# KiCad board apple-color-monitor-iie-a2m2056.kicad_pcb (continued)
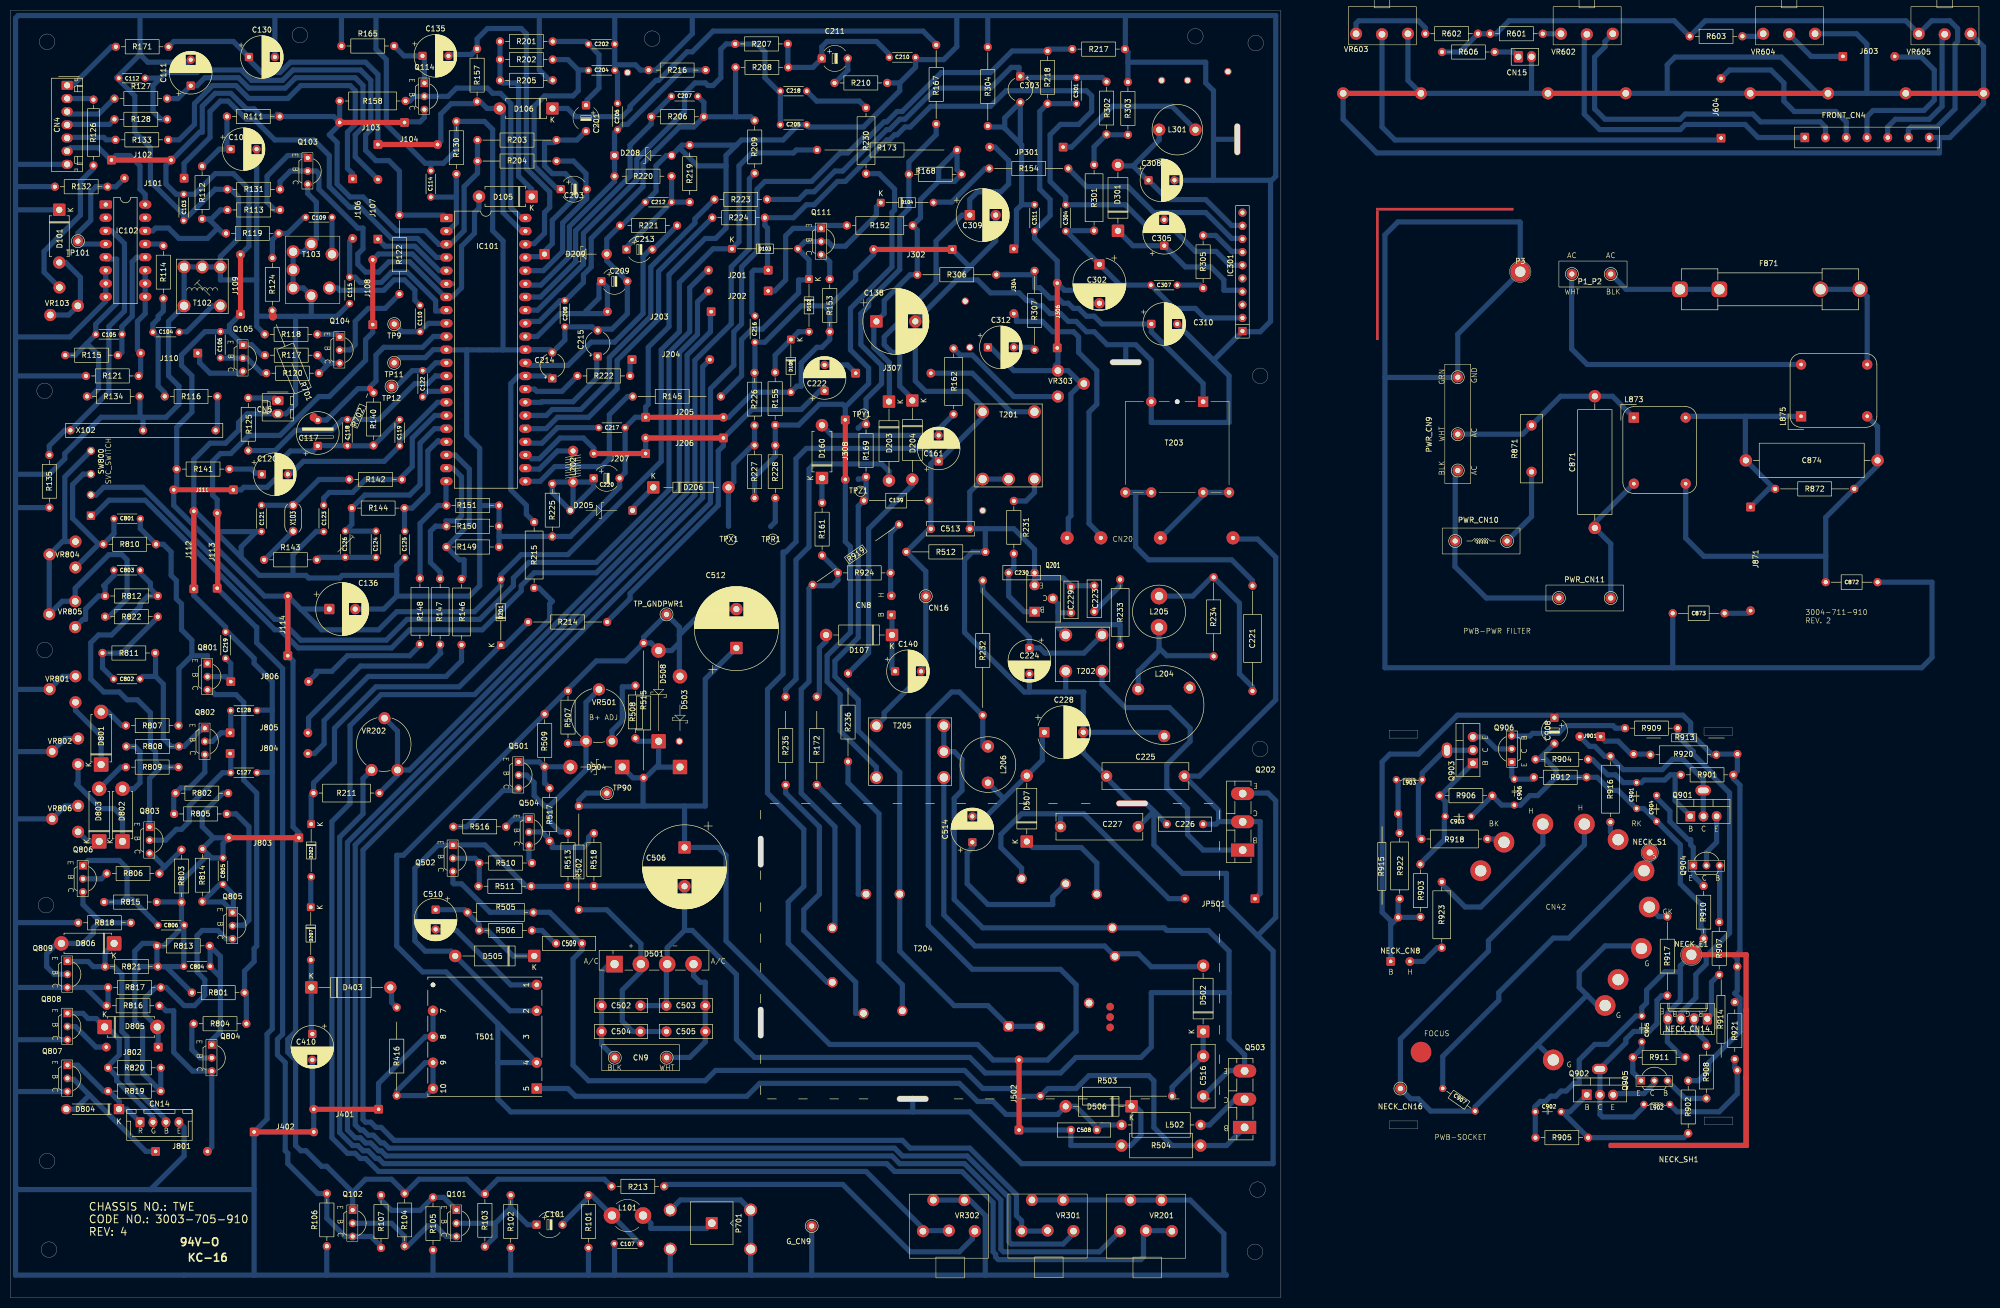
[diagram p0: board, top side]
## Routing (per net, layer and track width the routed paths; a pad name or vN(x,y) marks a point on that pad's centre or on a via; arc(x,y) is an arc through that point) (continued)
Net-(D805-A): length 45.5
  Bottom w1: J802.1 28.5,52.34 28.38,52.22 D805.2 26,54.55 26,57.84 28,59.84 R817.2 30,59.84 33.5,56.34 35.5,56.34 37.5,58.34 37.5,61.34 36,62.84 36,69.84 37,70.84 40,70.84 41.63,69.21 Q805.3
Net-(D806-A): length 34
  Bottom w1: 9.84,68.84 9.5,68.84 ; Q809.2 8.54,62.38 8.5,62.34 7,63.84 7,66.34 9,68.34 D806.2 14,68.34 16,70.34 16,71.34 16.98,72.32 ; R818.2 16.98,72.32 ; 16.98,72.32 16.98,72.87 14,75.84 Q806.3
Net-(F871-Pad2): length 22.7
  Bottom w1: F871.2 F871.2 358.06,193.12 L875.4
Net-(FRONT_CN4-BLU): length 28.3
  Bottom w1: VR605.2 372.49,243.22 372.49,229.83 369.99,227.33 363.49,227.33 361.99,225.83 361.99,223.83 FRONT_CN4.5
Net-(FRONT_CN4-BRN): length 60.8
  Bottom w1: FRONT_CN4.1 337.02,223.81 334.49,226.33 322.99,226.33 321.99,225.33 306.49,225.33 303.49,228.33 303.49,243.22 VR602.2
Net-(FRONT_CN4-GRN): length 32.9
  Bottom w1: FRONT_CN4.4 358.02,227.86 359.19,229.03 368.99,229.03 370.99,231.03 370.99,236.83 368.49,239.33 363.49,239.33 J603.2
Net-(FRONT_CN4-PNK): length 64.8
  Bottom w1: VR602.3 307.49,242.33 307.49,241.33 305.49,239.33 305.49,229.33 307.49,227.33 321.99,227.33 322.99,228.33 335.99,228.33 337.49,226.83 348.99,226.83 350.02,225.81 FRONT_CN4.2
Net-(FRONT_CN4-YLW): length 34
  Bottom w1: J604.2 331.49,236.83 339.49,236.83 341.99,234.33 341.99,230.83 343.99,228.83 351.99,228.83 354.02,226.81 FRONT_CN4.3
Net-(IC101-PHASE_COMP): length 15.5
  Bottom w1: IC101.25 99.58,164.84 102.5,164.84 105.5,167.84 C217.1
Net-(IC101-RAMP_CAPACITOR): length 19.6
  Bottom w1: IC101.28 102.39,172.73 102.5,172.84 108.5,172.84 113.08,177.42 113.08,181.32
Net-(IC102-A0): length 22.2
  Bottom w1: R115.2 20.98,181.82 21.5,182.34 21.5,185.8 C105.1 21.5,185.84 21.5,187.34 23.5,189.34 23.5,199.84 24.38,200.72 IC102.12
Net-(IC102-A1): length 3.6
  Bottom w1: IC102.13 29.16,203.26 R114.2
Net-(IC102-A): length 26
  Bottom w1: R113.2 40.5,209.84 38.5,207.84 ; R112.2 38.23,208.11 38.5,207.84 ; 38.5,207.84 39.75,206.59 ; 39.75,206.59 41.02,205.32 R119.1 ; 39.75,206.59 39.75,206.09 38,204.34 32.5,204.34 30.5,206.34 28,206.34 27.46,205.8 IC102.14
Net-(IC102-C0): length 38.6
  Bottom w1: 14.75,184.09 12.47,181.82 R115.1 ; 14.75,184.09 16.46,185.8 C105.2 16.46,187.8 20.5,191.84 20.5,200.34 18.76,200.34 IC102.5 ; 14.75,184.09 17,181.84 17,175.34 15.52,173.87 R134.2
Net-(IC102-C1): length 52.1
  Bottom w1: IC102.3 19.54,205.8 22,203.34 22,190.34 19,187.34 19,174.74 X102.1 10.47,167.32 7.5,164.34 7.5,162.84 7.52,162.82 R135.2
Net-(IC102-C): length 23.7
  Bottom w1: J101.2 20.35,214.32 R132.2 16.48,214.32 15.5,213.34 15.5,207.84 13.02,205.37 TP101.1 13.58,203.26 IC102.4
Net-(IC102-S1): length 21.4
  Bottom w1: R121.2 25.12,178.21 J110.2 24.5,182.84 24.5,188.34 26,189.84 IC102.9 IC102.10 IC102.11
Net-(J106-A): length 63.3
  Bottom w1: J106.1 66,216.84 65,217.84 65,224.84 66.5,226.34 66.5,232.84 65.5,233.84 56,233.84 53.5,231.34 46,231.34 43.5,233.84 39,233.84 35.5,230.34 35.5,226.34 32.52,223.37 R133.1
Net-(J107-B): length 62.3
  Bottom w1: R127.2 32.28,231.32 C111.1 35.97,233.81 37.5,235.34 44,235.34 46,233.34 53,233.34 55,235.34 66.5,235.34 68,233.84 68,225.84 66.5,224.34 66.5,220.09 J107.2
Net-(J110-A): length 11.4
  Bottom w1: Q105.3 44.47,178.34 38.5,178.34 36.5,180.34 36.5,181.84 J110.1
Net-(J201-B): length 183
  Bottom w1: SW800.2 15.55,154.84 16.5,154.84 18,156.34 25.5,156.34 51,130.84 52,130.84 56,126.84 72.5,126.84 76.5,130.84 90.5,130.84 97,137.34 97,138.84 100,141.84 113,141.84 127,155.84 127,182.34 131,186.34 131,194.84 134.5,198.34 J201.2
Net-(J202-B): length 180.4
  Bottom w1: SW800.1 16.02,150.87 19,153.84 26,153.84 51,128.84 52,128.84 55.5,125.34 73.5,125.34 77,128.84 91,128.84 98.5,136.34 98.5,137.34 101,139.84 113,139.84 129,155.84 129,182.34 132.5,185.84 132.5,192.09 J202.2
Net-(J203-A): length 131.8
  Bottom w1: J203.1 135,190.09 135,186.34 130.5,181.84 130.5,155.34 76.94,101.79 VR202.1 ; R211.1 74.65,100.83 VR202.1 ; VR202.1 74.65,109.29 VR202.2
Net-(J204-A): length 3.3
  Bottom w1: R222.1 119.5,180.59 J204.1
Net-(J204-B): length 330.3
  Bottom w1: J204.2 133.5,179.59 133.5,154.34 66.5,87.34 66.5,33.34 67.5,32.34 68,32.34 69,31.34 70,31.34 71.5,29.84 72,29.84 73,28.84 170.5,28.84 172,27.34 184.5,27.34 192.5,19.34 192.5,10.84 193,10.34 203,10.34 205,12.34 VR301.1
Net-(J304-A): length 45.8
  Bottom w1: R304.2 188.66,225.84 191.5,225.84 191.75,225.59 ; 191.75,225.59 195,222.34 ; 191.75,225.59 191.75,227.59 C303.2 194.75,222.59 195,222.34 ; 195,210.84 C311.1 ; 195,210.84 195,222.34 ; 195,210.84 194,209.84 194,202.84 J304.1
Net-(J307-A): length 6.7
  Bottom w1: J307.1 161.4,179.94 C222.2
Net-(J307-B): length 23.1
  Bottom w1: J307.2 185.5,178.34 192.94,170.9 T201.1
Net-(J603-A): length 12.1
  Bottom w1: J603.1 347.26,239.46 VR604.2
Net-(J604-A): length 84.5
  Bottom w1: VR603.2 264.49,225.83 266.99,223.33 329.49,223.33 J604.1
Net-(J801-B): length 35.9
  Bottom w1: R816.2 28.98,56.32 29,56.34 30,55.34 31.5,55.34 31.5,47.34 35.13,43.71 Q804.3 38.84,29.06 J801.2
Net-(J802-B): length 9.1
  Bottom w1: J802.2 16.5,48.34 12.54,52.3 Q808.2
Net-(J804-A): length 26.5
  Bottom w1: Q803.2 29.91,88.25 32,90.34 33,90.34 34.5,91.84 34.5,94.84 40.92,101.27 C127.1 42.5,101.29 42.5,104.84 J804.1
Net-(J804-B): length 42.9
  Bottom w1: 87.12,126.07 R146.1 87,122.84 84,119.84 69,119.84 60.5,111.34 60.5,106.84 58.62,104.97 J804.2
Net-(J805-A): length 10.2
  Bottom w1: Q802.2 38.96,107.3 40.62,108.97 J805.1 42.5,108.84 42.5,113.24 C128.1
Net-(J805-B): length 35.3
  Bottom w1: J805.2 57.5,109.09 57.5,111.84 67.5,121.84 80.5,121.84 83,124.34 82.88,124.47 R147.2
Net-(J806-A): length 9.8
  Bottom w1: C219.1 42.5,122.34 J806.1 41.54,119.8 Q801.2
Net-(J806-B): length 24.9
  Bottom w1: J806.2 59,120.34 59,120.84 62,120.84 65,123.84 77,123.84 79,125.84 78.97,125.87 R148.2
Net-(J871-A): length 45.3
  Bottom w1: 334.56,170.02 L875.1 345.25,170.08 ; 334.56,170.02 323.31,170.02 L873.2 ; 334.56,170.02 334.56,161.62 C874.2 ; C874.2 334.82,161.52 ; C874.2 340.16,156.02 R872.2 339.06,156.02 J871.1
Net-(J871-B): length 5.2
  Bottom w1: J871.2 335.06,132.02 C873.1
Net-(J901-A): length 11
  Bottom w1: R920.2 316.12,104.86 R913.2 312.52,104.86 310.02,107.36 307.52,107.36 J901.1
Net-(J901-B): length 36.5
  Bottom w1: 303.02,108.36 302.89,108.23 J901.2 304.52,106.36 305.52,106.36 307.44,104.44 R916.1 308.54,104.33 311.02,101.86 318.52,101.86 320.52,103.86 322.52,103.86 326.44,99.94 Q901.2 326.44,92.9 Q901.2
Net-(JP301-A): length 30.7
  Bottom w1: JP301.1 204.62,221.97 212.5,229.84 224,229.84 L301.2
Net-(JP501-B): length 56.6
  Bottom w1: 202.5,93.34 207,93.34 223.38,76.97 JP501.2 ; 202.5,93.34 195,93.34 191,89.34 191,86.84 195,82.84 T204.10 ; 202.5,93.34 C227.2
Net-(L204-Pad1): length 25
  Bottom w1: L204.1 217.47,117.37 217.5,117.34 217.5,120.84 221.5,124.84 221.5,125.34 ; 221.5,125.34 L205.2 ; 221.5,125.34 223,123.84 232,123.84 232.02,123.82 R234.1
Net-(L902-Pad2): length 21.9
  Bottom w1: R921.1 332.52,44.34 R914.2 333,39.34 329.52,35.86 321.42,35.86 L902.2
Net-(L903-Pad1): length 10.6
  Bottom w1: R922.2 267.89,93.08 R915.1 267.61,99.57 L903.1
Net-(NECK_CN8-H): length 7.2
  Bottom w1: NECK_CN8.2 272.52,64.86 275.17,67.51 R923.1
Net-(NECK_CN14-B): length 64.1
  Bottom w1: NECK_CN14.3 322.14,54.98 325.02,57.86 325.02,62.36 327.02,64.36 327.02,65.86 331.52,70.36 331.52,97.36 328.52,100.36 328.52,100.86 324.52,104.86 324.52,105.36 321.52,108.36 R909.1
Net-(NECK_CN14-G): length 6.2
  Bottom w1: R908.2 327.04,49.33 324.68,51.69 NECK_CN14.2
Net-(NECK_CN14-R): length 9.5
  Bottom w1: NECK_CN14.1 328.02,54.6 328.02,60.86 329.44,62.28 R907.1
Net-(P1_P2-BLK): length 22.2
  Bottom w1: F871.1 F871.1 311.56,194.52 P1_P2.2
Net-(P1_P2-WHT): length 60
  Bottom w1: P1_P2.1 301.06,197.42 301.06,183.02 304.06,180.02 L875.2
Net-(P3-GND): length 301.4
  Bottom w1: 320.56,121.52 368.56,121.52 370.56,123.52 370.56,138.02 C872.1 ; 320.56,121.52 265.06,121.52 265.06,177.52 ; 320.56,121.52 C873.2 ; 265.06,177.52 265.06,205.02 267.56,207.52 291.06,207.52 291.15,207.42 P3.1 279.11,185.88 PWR_CN9.3 279.06,177.52 265.06,177.52
Net-(P701-In): length 15.3
  Bottom w1: P701.1 134.23,13.34 123.5,13.34 123.5,14.34 L101.1
Net-(PWR_CN9-WHT): length 38.7
  Bottom w1: PWR_CN9.2 291.61,166.57 R871.2 298.93,173.9 C871.2 308.93,173.9 L873.1
Net-(PWR_CN10-Pin_1): length 41.3
  Bottom w1: PWR_CN11.1 284.61,134.97 278.56,141.02 278.56,145.92 PWR_CN10.1 278.61,159.07 PWR_CN9.1
Net-(PWR_CN10-Pin_2): length 15.6
  Bottom w1: 293.56,159.07 R871.1 293.33,150.7 PWR_CN10.2
Net-(PWR_CN11-Pin_2): length 26.4
  Bottom w1: PWR_CN11.2 308.61,145.42 C871.1 305.53,149.5 L873.3
Net-(Q101-B): length 25.8
  Bottom w1: 96.47,17.32 99.72,14.07 C101.1 ; 96.47,17.32 93.5,14.34 ; 96.47,17.32 R102.1 ; R103.1 93.5,11.84 93.5,14.34 ; 93.5,14.34 Q101.2
Net-(Q101-C): length 25.4
  Bottom w1: Q101.3 84.04,11.8 82,13.84 80.5,13.84 76.58,9.92 R104.1 76.03,10.32 76,10.34 76,11.84 73.5,14.34 Q102.2
Net-(Q101-E): length 18.3
  Bottom w1: R107.1 71.47,18.87 73.5,16.84 79,16.84 R105.1 83.54,19.34 Q101.1
Net-(Q103-E): length 17.8
  Bottom w1: Q103.1 56.88,220.34 53.5,220.34 49.5,216.34 49.5,211.34 51,209.84 R113.1
Net-(Q104-B): length 18.7
  Bottom w1: Q104.2 63.5,182.84 65.5,182.84 66.5,183.84 66.5,188.34 69,190.84 72.27,190.84 R122.2
Net-(Q104-C): length 7.7
  Bottom w1: 61.5,180.26 60.79,180.26 R117.2 ; 61.5,180.26 Q104.3 ; 61.5,180.26 59.58,178.34 R120.2
Net-(Q104-E): length 4.5
  Bottom w1: Q104.1 63,185.84 59.16,185.84
Net-(Q105-B): length 10.1
  Bottom w1: R120.1 48.5,178.34 45.59,181.25 Q105.2 40.55,181.25 C106.1
Net-(Q111-C): length 5.7
  Bottom w1: R153.2 158,199.84 156.5,201.34 156.37,201.21 Q111.3
Net-(Q114-E): length 11.7
  Bottom w1: R165.2 75.9,239.57 C135.1 79.84,239.2 Q114.1
Net-(Q201-B): length 14.8
  Bottom w1: Q201.1 195.5,132.34 192.5,135.34 C230.1 193.5,140.84 R231.2
Net-(Q201-C): length 26.7
  Bottom w1: Q201.2 201,134.84 202,133.84 202,132.34 ; 202,129.84 202,129.34 T202.2 ; 202,129.84 202,132.34 ; 202,129.84 214,129.84 R233.1 ; 202,132.34 202.23,132.12 C229.1
Net-(Q202-B): length 58.9
  Bottom w1: Q202.1 230,86.34 227,89.34 227,94.34 223,98.34 223,102.84 227.5,107.34 227.5,109.84 223.5,113.84 215,113.84 210.5,118.34 T202.4
Net-(Q501-B): length 47.6
  Bottom w1: 104,94.84 111,101.84 VR501.3 ; 104,94.84 103,94.84 101,96.84 101,99.34 99.54,100.8 Q501.2 ; 104,94.84 104,91.84 106,89.84 107.5,89.84 107.53,89.82 R513.2 ; VR501.3 111,114.84 VR501.2 ; VR501.3 110.58,106.92 R507.1
Net-(Q501-C): length 15.4
  Bottom w1: 97.72,98.21 97.36,97.84 95,97.84 88,90.84 85.34,90.84
Net-(Q502-B): length 10.2
  Bottom w1: Q502.2 89.59,84.75 90.5,83.84 R510.2 90.42,79.52 R511.2
Net-(Q502-C): length 204.1
  Bottom w1: Q502.3 85.34,80 85.5,79.84 87,79.84 92.5,74.34 100.83,74.34 R505.2 100.88,74.34 104,74.34 110,68.34 C509.1 110.23,67.07 108.5,65.34 108.5,44.84 111.5,41.84 134,41.84 136,43.84 184,43.84 187.5,40.34 193,40.34 194.5,38.84 198.5,38.84 198.53,38.87 R503.1 200.1,40.34 205.5,40.34 208,42.84 219.5,42.84 220.5,41.84 220.5,32.84 224,29.34 R504.1 234.5,29.34 Q503.1 238,32.92 ; 109.97,68.37 110.23,68.37
Net-(Q503-C): length 12
  Bottom w1: 238,38.37 236.52,38.37 ; L502.2 231.23,33.32 236.2,38.29 Q503.2
Net-(Q504-B): length 16.4
  Bottom w1: R518.2 112.52,89.82 112.5,89.84 111.5,88.84 111.5,87.84 110.5,86.84 104.5,86.84 104.5,87.58 R517.2 ; Q504.2 100.04,89.84 102.5,89.84 104,88.34 104,88.18
Net-(Q504-C): length 3.7
  Bottom w1: R510.1 100,84.42 Q504.3
Net-(Q504-E): length 5.1
  Bottom w1: Q504.1 97,92.34 95.5,90.84
Net-(Q801-C): length 72.2
  Bottom w1: R804.2 45.51,58.5 R801.2 45.16,63 47,64.84 47,67.34 47.5,67.84 47.5,97.34 45,99.84 45,114.84 43.5,116.34 39.5,116.34 38.58,117.26 Q801.3
Net-(Q801-E): length 50.5
  Bottom w1: R807.1 32.48,110.37 32.5,110.34 32.5,121.34 35,123.84 ; Q801.1 38,123.84 35,123.84 ; 35,123.84 35,126.84 33,128.84 33,133.84 32,134.84 32,138.34 31,139.34 31,143.84 29.5,145.34 R810.2 25.05,148.37 C801.2
Net-(Q802-C): length 14.9
  Bottom w1: Q802.3 37.5,101.34 34.5,98.34 32.87,98.34 R802.2 31.5,96.98 31.5,93.34 31.52,93.32 R805.1
Net-(Q802-E): length 30.5
  Bottom w1: C802.1 25.5,119.84 28,119.84 ; R811.1 28,124.29 28,119.84 ; 28,119.84 29.5,118.34 29.5,107.84 31,106.34 R808.1 33.5,106.34 37,109.84 Q802.1
Net-(Q803-C): length 10.7
  Bottom w1: R803.1 33,86.34 29.75,83.09 ; 29.75,83.09 27.13,85.71 Q803.3 ; 29.75,83.09 28.5,81.84 28.52,81.82 R806.2
Net-(Q803-E): length 71.7
  Bottom w1: 29,102.34 26.84,100.18 Q803.1 ; 29,102.34 28,103.34 28,105.34 27,106.34 27,112.84 24.5,115.34 22.5,115.34 21,116.84 18,116.84 15.5,119.34 15.5,126.34 17,127.84 19.5,127.84 25,133.34 25,133.84 26.52,135.37 R812.1 27,136.79 27,137.84 25.04,139.8 C803.1 ; 29,102.34 R809.1
Net-(Q804-B): length 9.6
  Bottom w1: Q804.2 36.59,46.25 35,47.84 35,52.5 R804.1
Net-(Q804-E): length 27.5
  Bottom w1: 40.5,61.84 38.52,63.82 C804.1 38.52,67.77 R813.1 38.48,67.87 40.5,65.84 40.5,61.84 ; 40.5,61.84 40.5,51.34 38.84,49.68 Q804.1
Net-(Q805-B): length 26.9
  Bottom w1: R805.2 43.48,93.32 43.5,93.34 46,90.84 46,72.84 45,71.84 42.93,71.84 Q805.2
Net-(Q805-E): length 18.7
  Bottom w1: Q805.1 42.95,74.29 43,74.34 43,77.76 C805.2 40.42,79.76 37.02,76.37 R814.1 37.1,76.34 41,76.34 42.84,74.5 Q805.1
Net-(Q806-B): length 5
  Bottom w1: R806.1 17.56,80.8 Q806.2
Net-(Q806-E): length 28.1
  Bottom w1: Q806.1 15,84.34 21,84.34 22.5,82.84 22.5,77.34 ; 22.5,77.34 23,76.84 23.5,76.84 28.46,71.88 C806.1 ; 22.5,77.34 21.48,76.32 R815.1
Net-(Q901-B): length 29.5
  Bottom w1: 321.02,100.86 320.07,100.86 319.54,100.33 319.52,100.36 319.02,99.86 315.02,99.86 314.52,99.36 C901.1 311.02,99.36 309.52,100.86 308.02,100.86 305.04,103.83 R904.2 ; 321.02,100.86 321.02,95.86 323.94,92.94 Q901.1 ; 321.02,100.86 R901.1
Net-(Q901-E): length 10.3
  Bottom w1: Q904.2 327.06,85.9 329.02,87.86 Q901.3
Net-(Q902-B): length 33.2
  Bottom w1: R902.2 322.7,30.86 R905.2 299.25,35.86 C902.1 300.72,35.86 Q902.1
Net-(Q902-C): length 40.7
  Bottom w1: R917.2 318.42,58.27 317.52,57.36 317.52,52.86 316.02,51.36 313.02,51.36 311.52,49.86 311.52,49.16 Q902.2 306.52,44.08 306.52,35.36 307.02,34.86 313.02,34.86 314.99,36.83 L902.1
Net-(Q902-E): length 9.4
  Bottom w1: Q902.3 309.3,39.36 315.02,39.36 317.02,41.36 317.02,41.86
Net-(Q903-B): length 25.3
  Bottom w1: R906.1 275.76,96.83 Q903.1 ; R906.1 276.18,96.83 ; R906.1 275.59,96.78 ; R906.1 276.68,95.75 C903.1 276.52,92.7 276.52,88.36 271.89,83.73 R903.2
Net-(Q903-C): length 24.5
  Bottom w1: Q903.2 281.98,105.59 Q903.2 ; R918.1 271.52,89.06 271.52,98.86 272.25,99.59 L903.2 272.25,101.23 276.61,105.59 ; 282.4,105.59 282.44,105.63
Net-(Q903-E): length 8.5
  Bottom w1: Q906.2 286.52,105.86 284.2,108.17 Q903.3
Net-(Q904-B): length 11
  Bottom w1: Q904.3 329.6,72.52 R907.2
Net-(Q904-E): length 21.5
  Bottom w1: R910.2 324.52,81.44 Q904.1 324.52,86.86 324.02,87.36 324.02,88.36 323.52,88.36 320.02,91.86 320.02,93.86 317.44,96.43 C904.1
Net-(Q905-B): length 8.9
  Bottom w1: Q905.3 319.56,41.82 322.94,38.43 R908.1
Net-(Q905-E): length 8.9
  Bottom w1: C905.1 314.59,48.07 R911.2 312.86,43.48 Q905.1
Net-(Q906-B): length 22.9
  Bottom w1: 289.52,108.4 289.56,108.36 293.02,108.36 293.52,108.86 298.52,108.86 300.02,110.36 309.02,110.36 309.52,109.86 R909.2
Net-(Q906-E): length 7.4
  Bottom w1: Q906.1 289.52,100.52 C906.2 293.42,100.02 R912.2
Net-(R116-Pad1): length 6.7
  Bottom w1: R116.1 39.92,167.67 X102.2
Net-(R126-Pad1): length 28.7
  Bottom w1: R126.1 16.02,217.87 13.5,215.34 13.5,208.84 6.5,201.84 6.5,197.84 VR103.1
Net-(R143-Pad1): length 7.9
  Bottom w1: X103.1 49,142.34 R143.1
Net-(R161-Pad2): length 81.4
  Bottom w1: T204.13 159,71.84 159,90.84 152.5,97.34 152.5,117.34 154,118.84 154,136.8 R919.1 154.89,137.34 158.5,137.34 159.57,138.42 R924.1 159.57,140.13 R161.2
Net-(R162-Pad2): length 23.5
  Bottom w1: R162.2 183.15,181.84 185.5,181.84 193.5,173.84 201.5,173.84
Net-(R172-Pad1): length 25.9
  Bottom w1: T204.12 163.5,77.84 163.5,90.92 R172.1
Net-(R209-Pad1): length 383
  Bottom w1: R209.1 143.52,216.87 142.5,215.84 142.5,202.34 139,198.84 139,187.84 132,180.84 132,154.84 65,87.84 65,32.34 66.5,30.84 67.5,30.84 68.5,29.84 69.5,29.84 71,28.34 71.5,28.34 72.5,27.34 170,27.34 171.5,25.84 184,25.84 191,18.84 191,9.34 191.5,8.84 210,8.84 VR201.3
Net-(R213-Pad2): length 67.7
  Bottom w1: VR302.1 185.5,12.34 185.5,11.34 183,8.84 173.5,8.84 160.5,21.84 126.45,21.84 R213.2
Net-(R215-Pad1): length 263
  Bottom w1: R215.1 101.92,136.92 104.5,134.34 104,133.84 104,130.84 89.5,116.34 71.5,116.34 65.5,110.34 65.5,95.34 62,91.84 62,30.84 65,27.84 66.5,27.84 67.5,26.84 68.5,26.84 71,24.34 165,24.34 175.98,13.37 VR302.3 176.08,12.93 VR302.2
Net-(R217-Pad2): length 427.4
  Bottom w1: R217.2 200.37,240.87 R218.1 193.16,240.5 189,236.34 179.5,236.34 172,228.84 171,228.84 169,226.84 168.5,226.84 165.5,223.84 164.5,223.84 161.5,220.84 160,220.84 154.5,215.34 145.5,215.34 144,213.84 144,201.84 141,198.84 141,187.84 139.5,186.34 139.5,179.84 135,175.34 135,153.34 68,86.34 68,34.34 68.5,33.84 69.5,33.84 70.5,32.84 71.5,32.84 74,30.34 172,30.34 173.5,28.84 185,28.84 194,19.84 194,15.84 195,14.84 VR301.3 199.89,12.84 VR301.2
Net-(R235-Pad1): length 53.7
  Bottom w1: R235.1 149.5,97.34 156,90.84 156,77.84 153,74.84 153,70.84 163,60.84 163,54.84 T204.15
Net-(R236-Pad1): length 52.4
  Bottom w1: T204.16 172,60.34 167.5,64.84 167.5,93.34 161.52,99.32 R236.1
Net-(R301-Pad1): length 11
  Bottom w1: R301.1 208.98,222.02 R302.1 211.45,224.34 R303.2
Net-(R508-Pad2): length 14
  Bottom w1: R508.2 120.29,117.84 118,117.84 118,111.34 116,109.34 VR501.1
Net-(R601-Pad1): length 3.5
  Bottom w1: R601.1 VR602.1
Net-(R602-Pad2): length 17.3
  Bottom w1: R602.2 272.83,244.99 271.49,246.33 259.99,246.33 259.49,245.83 VR603.1
Net-(R603-Pad1): length 4.2
  Bottom w1: R603.1 337.49,243.33 VR604.1
Net-(T102-AB): length 10.2
  Bottom w1: T102.2 39,191.34 34,186.34 32.5,186.34 32.55,186.29 C104.2
Net-(T103-AA): length 7.1
  Bottom w1: C109.1 T103.1
Net-(T103-AB): length 22.3
  Bottom w1: 61.96,194.34 T103.2 63.06,194.78 63.5,194.34 72,194.34 74,196.34 76,196.34 78,194.34 78,192.42 C110.2
Net-(T201-SB): length 7.3
  Bottom w1: R231.1 195.85,153.69 197.5,155.34 197.48,155.37 T201.5
Net-(T202-AA): length 32.6
  Bottom w1: T202.1 207,124.34 199.5,124.34 198.5,125.34 C224.1 196.5,127.34 187.5,136.34 R232.1
Net-(T203-IN+): length 55.8
  Bottom w1: 189.74,197.34 196.76,197.34 R307.2 197.5,194.84 198.5,194.84 200.5,192.84 202,192.84 203,191.84 204,191.84 205,190.84 206,190.84 207.5,189.34 209,189.34 210.5,187.84 C310.1 220,186.34 230,176.34 T203.1
Net-(T203-OUT2A): length 41.7
  Bottom w1: T203.5 217,155.34 ; 217,155.34 217,144.84 219.5,142.34 235.5,142.34 239.53,138.32 C221.1 ; 217,155.34 T203.4
Net-(T501-PA): length 24
  Bottom w1: T501.1 96.5,60.34 86,70.84 82,70.84 C510.2
Net-(T501-SA): length 22.7
  Bottom w1: T501.9 T501.10 80.14,38.98 R416.1 74.5,39.84 80,45.34 T501.9
Net-(TPR1-TP_R): length 5.8
  Bottom w1: TPR1.TP 147.5,149.65 R228.2
Net-(TPY1-TP_Y): length 68.9
  Bottom w1: 163.5,167.71 164.29,168.5 R169.1 ; R167.1 178.52,224.37 173.26,219.11 R168.2 173.26,210.11 171.5,208.34 171.5,198.34 165.5,192.34 165.5,191.34 164,189.84 164,183.84 168,179.84 168,176.34 165,173.34 R169.1 ; 165.1,168.74 165,168.64 R169.1
Net-(TPZ1-TP_Z): length 133.8
  Bottom w1: 163.5,157.97 164.63,157.97 R169.2 165,154.19 C139.1 163.5,152.69 163.5,127.34 159,122.84 159,119.84 163.5,115.34 163.5,109.34 171.5,101.34 T204.11 171.5,66.84 182,56.34 188.5,56.34 T204.1 T204.2
Net-(VR201-Pad1): length 254
  Bottom w1: VR201.1 223.87,12.93 VR201.2 218.5,12.45 218.5,7.84 218,7.34 190.5,7.34 190,7.84 190,8.34 189.5,8.84 189.5,18.34 183.5,24.34 170.5,24.34 169,25.84 72,25.84 71,26.84 70.5,26.84 69,28.34 68,28.34 67,29.34 66,29.34 63.5,31.84 63.5,88.84 68,93.34 68,100.14 VR202.3

## Text on the board
B.Silkscreen: PWB-CRT SOCKET / 3004-711-910   REV.2
F.Silkscreen: PWB-SOCKET | PWB-PWR FILTER | 3004-711-910 / REV. 2 | CHASSIS NO.: TWE / CODE NO.: 3003-705-910 / REV: 4 | 94V-O | KC-16
